# KiCad board Eclipse65.kicad_pcb (continued)
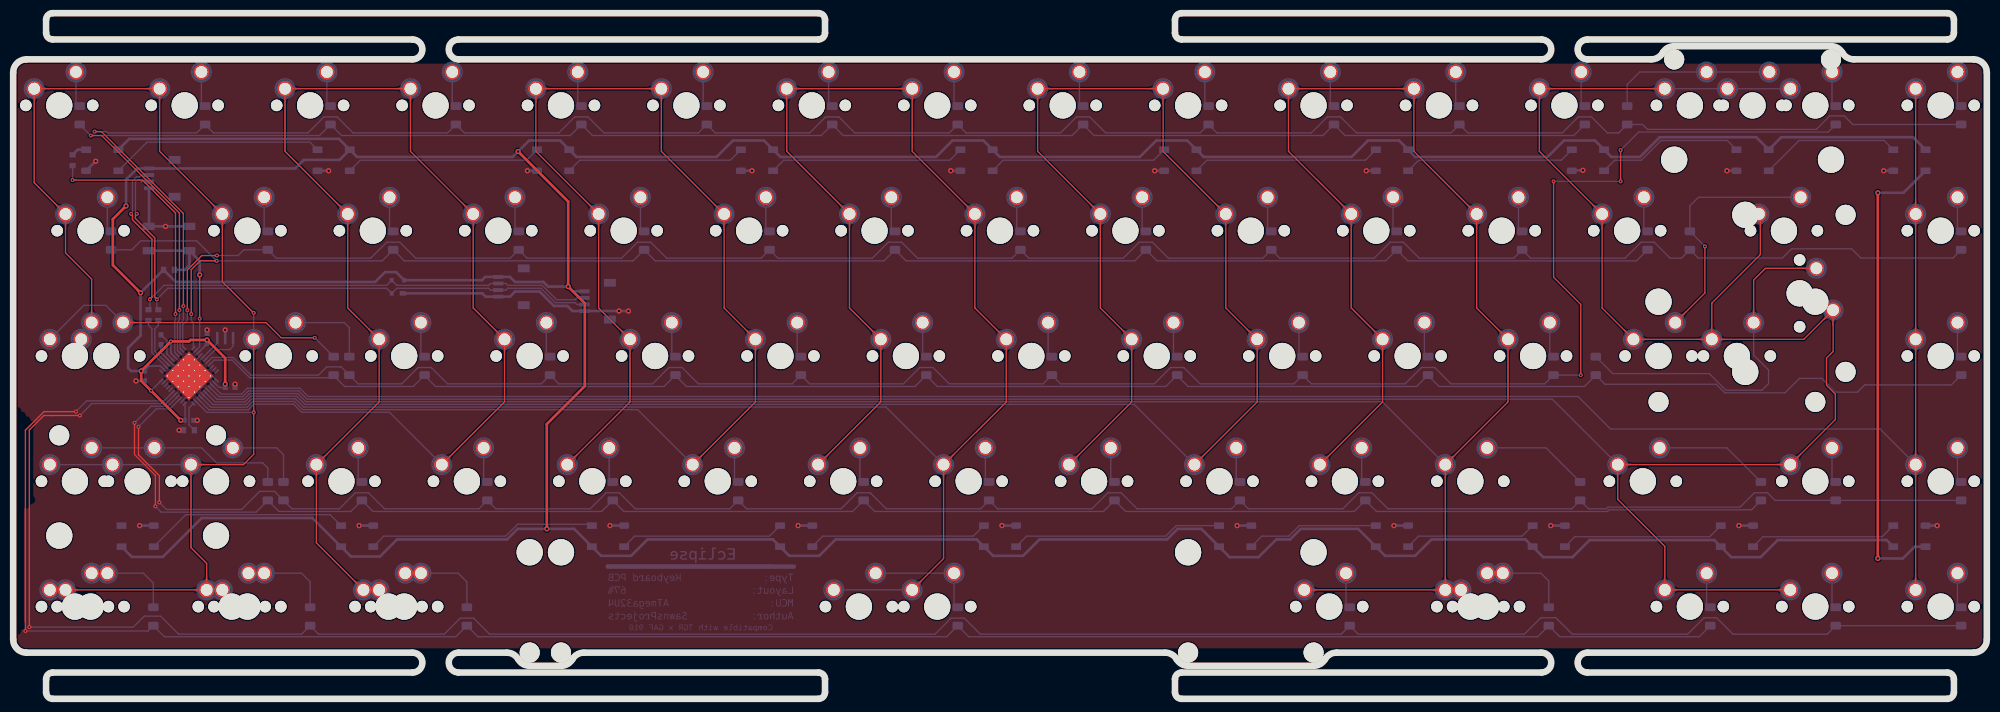
[diagram p0: board, top side]
## Copper pours and planes (outline as drawn; the poured copper is in the pictures) (continued)
Net-(D32-Pad2) on Bottom: 295.39,73.86 295.39,73.97 295.4,74.06 295.41,74.15 295.42,74.23 295.43,74.31 295.45,74.38 295.47,74.45 295.5,74.51 295.52,74.57 295.55,74.63 295.58,74.68 295.62,74.73 295.65,74.78 295.69,74.83 296.07,75.26 296.11,75.31 296.16,75.37 296.2,75.44 296.24,75.5 296.29,75.57 296.33,75.65 296.37,75.73 295.29,76.85 294.21,75.73 294.25,75.65 294.29,75.57 294.34,75.5 294.38,75.44 294.42,75.37 294.47,75.31 294.51,75.26 294.89,74.83 294.93,74.78 294.96,74.73 295,74.68 295.03,74.63 295.06,74.57 295.08,74.51 295.11,74.45 295.13,74.38 295.15,74.31 295.16,74.23 295.17,74.15 295.18,74.06 295.19,73.97 295.19,73.86
Net-(D32-Pad2) on Bottom: 295.39,73.06 295.39,73.2 295.4,73.33 295.41,73.45 295.43,73.56 295.45,73.66 295.48,73.76 295.51,73.85 295.54,73.93 295.58,74.01 295.61,74.09 295.66,74.16 295.7,74.23 295.75,74.29 295.8,74.35 295.85,74.42 295.91,74.48 296.2,74.78 296.26,74.85 296.32,74.92 296.38,75 296.44,75.08 296.5,75.16 296.56,75.25 296.62,75.35 296.67,75.45 296.73,75.56 295.29,77.05 293.85,75.56 293.91,75.45 293.96,75.35 294.02,75.25 294.08,75.16 294.14,75.08 294.2,75 294.26,74.92 294.32,74.85 294.38,74.78 294.67,74.48 294.73,74.42 294.78,74.35 294.83,74.29 294.88,74.23 294.92,74.16 294.97,74.09 295,74.01 295.04,73.93 295.07,73.85 295.1,73.76 295.13,73.66 295.15,73.56 295.17,73.45 295.18,73.33 295.19,73.2 295.19,73.06
Net-(D33-Pad2) on Top: 19.07,57.3 18.97,57.31 18.88,57.31 18.79,57.32 18.71,57.33 18.63,57.35 18.56,57.37 18.49,57.39 18.42,57.41 18.37,57.44 18.31,57.47 18.26,57.5 18.2,57.53 18.16,57.57 18.11,57.6 17.68,57.98 17.62,58.03 17.57,58.07 17.5,58.11 17.44,58.16 17.36,58.2 17.29,58.24 17.21,58.28 16.08,57.2 17.21,56.12 17.29,56.17 17.36,56.21 17.44,56.25 17.5,56.3 17.57,56.34 17.62,56.38 17.68,56.43 18.11,56.81 18.16,56.84 18.2,56.88 18.26,56.91 18.31,56.94 18.37,56.97 18.42,57 18.49,57.02 18.56,57.04 18.63,57.06 18.71,57.08 18.79,57.09 18.88,57.1 18.97,57.1 19.07,57.1
Net-(D33-Pad2) on Bottom: 14.36,59.39 14.45,59.29 14.54,59.2 14.61,59.1 14.68,59.01 14.74,58.92 14.79,58.84 14.83,58.75 14.87,58.67 14.9,58.59 14.92,58.51 14.94,58.43 14.96,58.35 14.97,58.27 14.98,58.19 14.98,58.11 14.99,58.03 15,57.6 15.01,57.51 15.01,57.42 15.02,57.32 15.04,57.23 15.05,57.12 15.08,57.02 15.1,56.91 15.13,56.8 15.17,56.68 17.25,56.64 17.21,58.72 17.09,58.75 16.98,58.79 16.87,58.81 16.76,58.83 16.66,58.85 16.56,58.86 16.47,58.87 16.38,58.88 16.29,58.89 15.86,58.9 15.78,58.9 15.7,58.91 15.62,58.92 15.54,58.93 15.46,58.95 15.38,58.97 15.3,58.99 15.22,59.02 15.13,59.06 15.05,59.1 14.96,59.15 14.88,59.21 14.79,59.28 14.69,59.35 14.6,59.44 14.5,59.53
Net-(D33-Pad2) on Bottom: 14.92,58.82 14.99,58.75 15.06,58.68 15.11,58.61 15.16,58.54 15.21,58.48 15.24,58.41 15.28,58.35 15.31,58.29 15.33,58.23 15.35,58.17 15.36,58.11 15.38,58.05 15.39,57.99 15.39,57.93 15.43,57.36 15.44,57.29 15.45,57.22 15.46,57.14 15.48,57.06 15.5,56.98 15.52,56.9 15.55,56.81 17.11,56.78 17.08,58.34 16.99,58.37 16.91,58.39 16.83,58.41 16.75,58.43 16.67,58.44 16.6,58.45 16.53,58.46 15.96,58.49 15.9,58.5 15.84,58.51 15.78,58.52 15.72,58.54 15.66,58.56 15.6,58.58 15.54,58.61 15.47,58.64 15.41,58.68 15.35,58.73 15.28,58.78 15.21,58.83 15.14,58.89 15.06,58.97
Net-(D33-Pad2) on Bottom: 7.19,56.43 7.12,56.35 7.05,56.29 6.98,56.24 6.91,56.19 6.84,56.14 6.78,56.1 6.72,56.07 6.66,56.04 6.59,56.02 6.53,56 6.47,55.98 6.42,55.97 6.36,55.96 6.3,55.95 5.73,55.92 5.66,55.91 5.58,55.9 5.51,55.89 5.43,55.87 5.35,55.85 5.26,55.83 5.18,55.8 5.15,54.24 6.7,54.27 6.73,54.36 6.76,54.44 6.78,54.52 6.79,54.6 6.81,54.68 6.82,54.75 6.82,54.82 6.86,55.39 6.87,55.45 6.88,55.51 6.89,55.57 6.91,55.63 6.93,55.69 6.95,55.75 6.98,55.81 7.01,55.87 7.05,55.94 7.09,56 7.14,56.07 7.2,56.14 7.26,56.21 7.33,56.28
Net-(D33-Pad2) on Bottom: 7.76,56.99 7.66,56.9 7.56,56.81 7.47,56.74 7.38,56.67 7.29,56.61 7.2,56.56 7.12,56.52 7.04,56.48 6.96,56.45 6.87,56.43 6.79,56.41 6.71,56.39 6.63,56.38 6.55,56.37 6.47,56.36 6.39,56.36 5.97,56.35 5.88,56.34 5.79,56.33 5.69,56.32 5.59,56.31 5.49,56.29 5.39,56.27 5.28,56.25 5.16,56.21 5.05,56.18 5.01,54.1 7.08,54.14 7.12,54.26 7.15,54.37 7.18,54.48 7.2,54.58 7.22,54.69 7.23,54.78 7.24,54.88 7.25,54.97 7.25,55.06 7.27,55.49 7.27,55.57 7.28,55.65 7.29,55.73 7.3,55.81 7.31,55.89 7.33,55.97 7.36,56.05 7.39,56.13 7.43,56.21 7.47,56.3 7.52,56.38 7.58,56.47 7.64,56.56 7.72,56.66 7.8,56.75 7.9,56.85
Net-(D33-Pad2) on Bottom: 47.76,52.8 48.11,51.83 48.88,51.81 48.87,52.59 47.9,52.94
Net-(D34-Pad2) on Bottom: 50.95,53.21 50.51,52.29 51.05,51.72 51.59,52.29 51.15,53.21
Net-(D34-Pad2) on Bottom: 46.07,57.3 45.93,57.31 45.8,57.32 45.68,57.33 45.57,57.34 45.47,57.37 45.37,57.39 45.28,57.42 45.2,57.45 45.12,57.49 45.05,57.53 44.97,57.57 44.91,57.62 44.84,57.67 44.78,57.72 44.72,57.77 44.66,57.82 44.35,58.11 44.28,58.17 44.21,58.23 44.14,58.29 44.06,58.35 43.97,58.41 43.88,58.47 43.79,58.53 43.68,58.59 43.57,58.64 42.08,57.2 43.57,55.76 43.68,55.82 43.79,55.88 43.88,55.94 43.97,56 44.06,56.06 44.14,56.12 44.21,56.18 44.28,56.24 44.35,56.3 44.66,56.59 44.72,56.64 44.78,56.69 44.84,56.74 44.91,56.79 44.97,56.84 45.05,56.88 45.12,56.92 45.2,56.96 45.28,56.99 45.37,57.02 45.47,57.04 45.57,57.07 45.68,57.08 45.8,57.09 45.93,57.1 46.07,57.1
Net-(D34-Pad2) on Bottom: 45.27,57.3 45.17,57.31 45.07,57.31 44.98,57.32 44.9,57.33 44.82,57.35 44.75,57.37 44.68,57.39 44.62,57.41 44.56,57.44 44.5,57.47 44.45,57.5 44.4,57.53 44.35,57.57 44.3,57.6 43.87,57.98 43.82,58.03 43.76,58.07 43.7,58.11 43.63,58.16 43.56,58.2 43.48,58.24 43.4,58.28 42.28,57.2 43.4,56.12 43.48,56.17 43.56,56.21 43.63,56.25 43.7,56.3 43.76,56.34 43.82,56.38 43.87,56.43 44.3,56.81 44.35,56.84 44.4,56.88 44.45,56.91 44.5,56.94 44.56,56.97 44.62,57 44.68,57.02 44.75,57.04 44.82,57.06 44.9,57.08 44.98,57.09 45.07,57.1 45.17,57.1 45.27,57.1
Net-(D35-Pad2) on Bottom: 62.03,54.01 62.03,54.15 62.04,54.28 62.05,54.4 62.07,54.51 62.09,54.61 62.11,54.71 62.14,54.8 62.18,54.88 62.21,54.96 62.25,55.04 62.3,55.11 62.34,55.18 62.39,55.24 62.44,55.3 62.49,55.37 62.54,55.43 62.84,55.73 62.9,55.8 62.96,55.87 63.02,55.95 63.08,56.03 63.14,56.11 63.2,56.2 63.25,56.3 63.31,56.4 63.37,56.51 61.93,58 60.49,56.51 60.54,56.4 60.6,56.3 60.66,56.2 60.72,56.11 60.78,56.03 60.84,55.95 60.9,55.87 60.96,55.8 61.02,55.73 61.31,55.43 61.36,55.37 61.42,55.3 61.47,55.24 61.51,55.18 61.56,55.11 61.6,55.04 61.64,54.96 61.68,54.88 61.71,54.8 61.74,54.71 61.77,54.61 61.79,54.51 61.8,54.4 61.82,54.28 61.82,54.15 61.83,54.01
Net-(D35-Pad2) on Bottom: 62.03,54.81 62.03,54.92 62.03,55.01 62.04,55.1 62.06,55.18 62.07,55.26 62.09,55.33 62.11,55.4 62.14,55.46 62.16,55.52 62.19,55.58 62.22,55.63 62.25,55.68 62.29,55.73 62.33,55.78 62.7,56.21 62.75,56.26 62.79,56.32 62.84,56.39 62.88,56.45 62.92,56.52 62.97,56.6 63.01,56.68 61.93,57.8 60.85,56.68 60.89,56.6 60.93,56.52 60.97,56.45 61.02,56.39 61.06,56.32 61.11,56.26 61.15,56.21 61.53,55.78 61.57,55.73 61.6,55.68 61.63,55.63 61.66,55.58 61.69,55.52 61.72,55.46 61.74,55.4 61.76,55.33 61.78,55.26 61.8,55.18 61.81,55.1 61.82,55.01 61.83,54.92 61.83,54.81
Net-(D36-Pad2) on Bottom: 81.08,54.01 81.08,54.15 81.09,54.28 81.1,54.4 81.12,54.51 81.14,54.61 81.16,54.71 81.19,54.8 81.23,54.88 81.26,54.96 81.3,55.04 81.35,55.11 81.39,55.18 81.44,55.24 81.49,55.3 81.54,55.37 81.59,55.43 81.89,55.73 81.95,55.8 82.01,55.87 82.07,55.95 82.13,56.03 82.19,56.11 82.25,56.2 82.3,56.3 82.36,56.4 82.42,56.51 80.98,58 79.54,56.51 79.59,56.4 79.65,56.3 79.71,56.2 79.77,56.11 79.83,56.03 79.89,55.95 79.95,55.87 80.01,55.8 80.07,55.73 80.36,55.43 80.41,55.37 80.47,55.3 80.52,55.24 80.56,55.18 80.61,55.11 80.65,55.04 80.69,54.96 80.73,54.88 80.76,54.8 80.79,54.71 80.82,54.61 80.84,54.51 80.85,54.4 80.87,54.28 80.87,54.15 80.88,54.01
Net-(D36-Pad2) on Bottom: 81.08,54.81 81.08,54.92 81.08,55.01 81.09,55.1 81.11,55.18 81.12,55.26 81.14,55.33 81.16,55.4 81.19,55.46 81.21,55.52 81.24,55.58 81.27,55.63 81.3,55.68 81.34,55.73 81.38,55.78 81.75,56.21 81.8,56.26 81.84,56.32 81.89,56.39 81.93,56.45 81.97,56.52 82.02,56.6 82.06,56.68 80.98,57.8 79.9,56.68 79.94,56.6 79.98,56.52 80.02,56.45 80.07,56.39 80.11,56.32 80.16,56.26 80.2,56.21 80.58,55.78 80.62,55.73 80.65,55.68 80.68,55.63 80.71,55.58 80.74,55.52 80.77,55.46 80.79,55.4 80.81,55.33 80.83,55.26 80.85,55.18 80.86,55.1 80.87,55.01 80.88,54.92 80.88,54.81
Net-(D37-Pad2) on Bottom: 100.13,54.01 100.13,54.15 100.14,54.28 100.15,54.4 100.17,54.51 100.19,54.61 100.21,54.71 100.24,54.8 100.28,54.88 100.31,54.96 100.35,55.04 100.4,55.11 100.44,55.18 100.49,55.24 100.54,55.3 100.59,55.37 100.64,55.43 100.94,55.73 101,55.8 101.06,55.87 101.12,55.95 101.18,56.03 101.24,56.11 101.3,56.2 101.35,56.3 101.41,56.4 101.47,56.51 100.03,58 98.59,56.51 98.64,56.4 98.7,56.3 98.76,56.2 98.82,56.11 98.88,56.03 98.94,55.95 99,55.87 99.06,55.8 99.12,55.73 99.41,55.43 99.46,55.37 99.52,55.3 99.57,55.24 99.61,55.18 99.66,55.11 99.7,55.04 99.74,54.96 99.78,54.88 99.81,54.8 99.84,54.71 99.87,54.61 99.89,54.51 99.9,54.4 99.92,54.28 99.92,54.15 99.93,54.01
Net-(D37-Pad2) on Bottom: 100.13,54.81 100.13,54.92 100.13,55.01 100.14,55.1 100.16,55.18 100.17,55.26 100.19,55.33 100.21,55.4 100.24,55.46 100.26,55.52 100.29,55.58 100.32,55.63 100.35,55.68 100.39,55.73 100.43,55.78 100.8,56.21 100.85,56.26 100.89,56.32 100.94,56.39 100.98,56.45 101.02,56.52 101.07,56.6 101.11,56.68 100.03,57.8 98.95,56.68 98.99,56.6 99.03,56.52 99.07,56.45 99.12,56.39 99.16,56.32 99.21,56.26 99.25,56.21 99.63,55.78 99.67,55.73 99.7,55.68 99.73,55.63 99.76,55.58 99.79,55.52 99.82,55.46 99.84,55.4 99.86,55.33 99.88,55.26 99.9,55.18 99.91,55.1 99.92,55.01 99.93,54.92 99.93,54.81
Net-(D38-Pad2) on Bottom: 119.18,54.01 119.18,54.15 119.19,54.28 119.2,54.4 119.22,54.51 119.24,54.61 119.26,54.71 119.29,54.8 119.33,54.88 119.36,54.96 119.4,55.04 119.45,55.11 119.49,55.18 119.54,55.24 119.59,55.3 119.64,55.37 119.69,55.43 119.99,55.73 120.05,55.8 120.11,55.87 120.17,55.95 120.23,56.03 120.29,56.11 120.35,56.2 120.4,56.3 120.46,56.4 120.52,56.51 119.08,58 117.64,56.51 117.69,56.4 117.75,56.3 117.81,56.2 117.87,56.11 117.93,56.03 117.99,55.95 118.05,55.87 118.11,55.8 118.17,55.73 118.46,55.43 118.51,55.37 118.57,55.3 118.62,55.24 118.66,55.18 118.71,55.11 118.75,55.04 118.79,54.96 118.83,54.88 118.86,54.8 118.89,54.71 118.92,54.61 118.94,54.51 118.95,54.4 118.97,54.28 118.97,54.15 118.98,54.01
Net-(D38-Pad2) on Bottom: 119.18,54.81 119.18,54.92 119.18,55.01 119.19,55.1 119.21,55.18 119.22,55.26 119.24,55.33 119.26,55.4 119.29,55.46 119.31,55.52 119.34,55.58 119.37,55.63 119.4,55.68 119.44,55.73 119.48,55.78 119.85,56.21 119.9,56.26 119.94,56.32 119.99,56.39 120.03,56.45 120.07,56.52 120.12,56.6 120.16,56.68 119.08,57.8 118,56.68 118.04,56.6 118.08,56.52 118.12,56.45 118.17,56.39 118.21,56.32 118.26,56.26 118.3,56.21 118.68,55.78 118.72,55.73 118.75,55.68 118.78,55.63 118.81,55.58 118.84,55.52 118.87,55.46 118.89,55.4 118.91,55.33 118.93,55.26 118.95,55.18 118.96,55.1 118.97,55.01 118.98,54.92 118.98,54.81
Net-(D39-Pad2) on Bottom: 138.23,54.01 138.23,54.15 138.24,54.28 138.25,54.4 138.27,54.51 138.29,54.61 138.31,54.71 138.34,54.8 138.38,54.88 138.41,54.96 138.45,55.04 138.5,55.11 138.54,55.18 138.59,55.24 138.64,55.3 138.69,55.37 138.74,55.43 139.04,55.73 139.1,55.8 139.16,55.87 139.22,55.95 139.28,56.03 139.34,56.11 139.4,56.2 139.45,56.3 139.51,56.4 139.57,56.51 138.13,58 136.69,56.51 136.74,56.4 136.8,56.3 136.86,56.2 136.92,56.11 136.98,56.03 137.04,55.95 137.1,55.87 137.16,55.8 137.22,55.73 137.51,55.43 137.56,55.37 137.62,55.3 137.67,55.24 137.71,55.18 137.76,55.11 137.8,55.04 137.84,54.96 137.88,54.88 137.91,54.8 137.94,54.71 137.97,54.61 137.99,54.51 138,54.4 138.02,54.28 138.02,54.15 138.03,54.01
Net-(D39-Pad2) on Bottom: 138.23,54.81 138.23,54.92 138.23,55.01 138.24,55.1 138.26,55.18 138.27,55.26 138.29,55.33 138.31,55.4 138.34,55.46 138.36,55.52 138.39,55.58 138.42,55.63 138.45,55.68 138.49,55.73 138.53,55.78 138.9,56.21 138.95,56.26 138.99,56.32 139.04,56.39 139.08,56.45 139.12,56.52 139.17,56.6 139.21,56.68 138.13,57.8 137.05,56.68 137.09,56.6 137.13,56.52 137.17,56.45 137.22,56.39 137.26,56.32 137.31,56.26 137.35,56.21 137.73,55.78 137.77,55.73 137.8,55.68 137.83,55.63 137.86,55.58 137.89,55.52 137.92,55.46 137.94,55.4 137.96,55.33 137.98,55.26 138,55.18 138.01,55.1 138.02,55.01 138.03,54.92 138.03,54.81
Net-(D40-Pad2) on Bottom: 157.28,54.01 157.28,54.15 157.29,54.28 157.3,54.4 157.32,54.51 157.34,54.61 157.36,54.71 157.39,54.8 157.43,54.88 157.46,54.96 157.5,55.04 157.55,55.11 157.59,55.18 157.64,55.24 157.69,55.3 157.74,55.37 157.79,55.43 158.09,55.73 158.15,55.8 158.21,55.87 158.27,55.95 158.33,56.03 158.39,56.11 158.45,56.2 158.5,56.3 158.56,56.4 158.62,56.51 157.18,58 155.74,56.51 155.79,56.4 155.85,56.3 155.91,56.2 155.97,56.11 156.03,56.03 156.09,55.95 156.15,55.87 156.21,55.8 156.27,55.73 156.56,55.43 156.61,55.37 156.67,55.3 156.72,55.24 156.76,55.18 156.81,55.11 156.85,55.04 156.89,54.96 156.93,54.88 156.96,54.8 156.99,54.71 157.02,54.61 157.04,54.51 157.05,54.4 157.07,54.28 157.07,54.15 157.08,54.01
Net-(D40-Pad2) on Bottom: 157.28,54.81 157.28,54.92 157.28,55.01 157.29,55.1 157.31,55.18 157.32,55.26 157.34,55.33 157.36,55.4 157.39,55.46 157.41,55.52 157.44,55.58 157.47,55.63 157.5,55.68 157.54,55.73 157.58,55.78 157.95,56.21 158,56.26 158.04,56.32 158.09,56.39 158.13,56.45 158.17,56.52 158.22,56.6 158.26,56.68 157.18,57.8 156.1,56.68 156.14,56.6 156.18,56.52 156.22,56.45 156.27,56.39 156.31,56.32 156.36,56.26 156.4,56.21 156.78,55.78 156.82,55.73 156.85,55.68 156.88,55.63 156.91,55.58 156.94,55.52 156.97,55.46 156.99,55.4 157.01,55.33 157.03,55.26 157.05,55.18 157.06,55.1 157.07,55.01 157.08,54.92 157.08,54.81
Net-(D41-Pad2) on Bottom: 176.33,54.01 176.33,54.15 176.34,54.28 176.35,54.4 176.37,54.51 176.39,54.61 176.41,54.71 176.44,54.8 176.48,54.88 176.51,54.96 176.55,55.04 176.6,55.11 176.64,55.18 176.69,55.24 176.74,55.3 176.79,55.37 176.84,55.43 177.14,55.73 177.2,55.8 177.26,55.87 177.32,55.95 177.38,56.03 177.44,56.11 177.5,56.2 177.55,56.3 177.61,56.4 177.67,56.51 176.23,58 174.79,56.51 174.84,56.4 174.9,56.3 174.96,56.2 175.02,56.11 175.08,56.03 175.14,55.95 175.2,55.87 175.26,55.8 175.32,55.73 175.61,55.43 175.66,55.37 175.72,55.3 175.77,55.24 175.81,55.18 175.86,55.11 175.9,55.04 175.94,54.96 175.98,54.88 176.01,54.8 176.04,54.71 176.07,54.61 176.09,54.51 176.1,54.4 176.12,54.28 176.12,54.15 176.13,54.01
Net-(D41-Pad2) on Bottom: 176.33,54.81 176.33,54.92 176.33,55.01 176.34,55.1 176.36,55.18 176.37,55.26 176.39,55.33 176.41,55.4 176.44,55.46 176.46,55.52 176.49,55.58 176.52,55.63 176.55,55.68 176.59,55.73 176.63,55.78 177,56.21 177.05,56.26 177.09,56.32 177.14,56.39 177.18,56.45 177.22,56.52 177.27,56.6 177.31,56.68 176.23,57.8 175.15,56.68 175.19,56.6 175.23,56.52 175.27,56.45 175.32,56.39 175.36,56.32 175.41,56.26 175.45,56.21 175.83,55.78 175.87,55.73 175.9,55.68 175.93,55.63 175.96,55.58 175.99,55.52 176.02,55.46 176.04,55.4 176.06,55.33 176.08,55.26 176.1,55.18 176.11,55.1 176.12,55.01 176.13,54.92 176.13,54.81
Net-(D42-Pad2) on Bottom: 195.38,54.01 195.38,54.15 195.39,54.28 195.4,54.4 195.42,54.51 195.44,54.61 195.46,54.71 195.49,54.8 195.53,54.88 195.56,54.96 195.6,55.04 195.65,55.11 195.69,55.18 195.74,55.24 195.79,55.3 195.84,55.37 195.89,55.43 196.19,55.73 196.25,55.8 196.31,55.87 196.37,55.95 196.43,56.03 196.49,56.11 196.55,56.2 196.6,56.3 196.66,56.4 196.72,56.51 195.28,58 193.84,56.51 193.89,56.4 193.95,56.3 194.01,56.2 194.07,56.11 194.13,56.03 194.19,55.95 194.25,55.87 194.31,55.8 194.37,55.73 194.66,55.43 194.71,55.37 194.77,55.3 194.82,55.24 194.86,55.18 194.91,55.11 194.95,55.04 194.99,54.96 195.03,54.88 195.06,54.8 195.09,54.71 195.12,54.61 195.14,54.51 195.15,54.4 195.17,54.28 195.17,54.15 195.18,54.01
Net-(D42-Pad2) on Bottom: 195.38,54.81 195.38,54.92 195.38,55.01 195.39,55.1 195.41,55.18 195.42,55.26 195.44,55.33 195.46,55.4 195.49,55.46 195.51,55.52 195.54,55.58 195.57,55.63 195.6,55.68 195.64,55.73 195.68,55.78 196.05,56.21 196.1,56.26 196.14,56.32 196.19,56.39 196.23,56.45 196.27,56.52 196.32,56.6 196.36,56.68 195.28,57.8 194.2,56.68 194.24,56.6 194.28,56.52 194.32,56.45 194.37,56.39 194.41,56.32 194.46,56.26 194.5,56.21 194.88,55.78 194.92,55.73 194.95,55.68 194.98,55.63 195.01,55.58 195.04,55.52 195.07,55.46 195.09,55.4 195.11,55.33 195.13,55.26 195.15,55.18 195.16,55.1 195.17,55.01 195.18,54.92 195.18,54.81
Net-(D43-Pad2) on Bottom: 214.43,54.01 214.43,54.15 214.44,54.28 214.45,54.4 214.47,54.51 214.49,54.61 214.51,54.71 214.54,54.8 214.58,54.88 214.61,54.96 214.65,55.04 214.7,55.11 214.74,55.18 214.79,55.24 214.84,55.3 214.89,55.37 214.94,55.43 215.24,55.73 215.3,55.8 215.36,55.87 215.42,55.95 215.48,56.03 215.54,56.11 215.6,56.2 215.65,56.3 215.71,56.4 215.77,56.51 214.33,58 212.89,56.51 212.94,56.4 213,56.3 213.06,56.2 213.12,56.11 213.18,56.03 213.24,55.95 213.3,55.87 213.36,55.8 213.42,55.73 213.71,55.43 213.76,55.37 213.82,55.3 213.87,55.24 213.91,55.18 213.96,55.11 214,55.04 214.04,54.96 214.08,54.88 214.11,54.8 214.14,54.71 214.17,54.61 214.19,54.51 214.2,54.4 214.22,54.28 214.22,54.15 214.23,54.01
Net-(D43-Pad2) on Bottom: 214.43,54.81 214.43,54.92 214.43,55.01 214.44,55.1 214.46,55.18 214.47,55.26 214.49,55.33 214.51,55.4 214.54,55.46 214.56,55.52 214.59,55.58 214.62,55.63 214.65,55.68 214.69,55.73 214.73,55.78 215.1,56.21 215.15,56.26 215.19,56.32 215.24,56.39 215.28,56.45 215.32,56.52 215.37,56.6 215.41,56.68 214.33,57.8 213.25,56.68 213.29,56.6 213.33,56.52 213.37,56.45 213.42,56.39 213.46,56.32 213.51,56.26 213.55,56.21 213.93,55.78 213.97,55.73 214,55.68 214.03,55.63 214.06,55.58 214.09,55.52 214.12,55.46 214.14,55.4 214.16,55.33 214.18,55.26 214.2,55.18 214.21,55.1 214.22,55.01 214.23,54.92 214.23,54.81
Net-(D44-Pad2) on Bottom: 233.48,54.01 233.48,54.15 233.49,54.28 233.5,54.4 233.52,54.51 233.54,54.61 233.56,54.71 233.59,54.8 233.63,54.88 233.66,54.96 233.7,55.04 233.75,55.11 233.79,55.18 233.84,55.24 233.89,55.3 233.94,55.37 233.99,55.43 234.29,55.73 234.35,55.8 234.41,55.87 234.47,55.95 234.53,56.03 234.59,56.11 234.65,56.2 234.7,56.3 234.76,56.4 234.82,56.51 233.38,58 231.94,56.51 231.99,56.4 232.05,56.3 232.11,56.2 232.17,56.11 232.23,56.03 232.29,55.95 232.35,55.87 232.41,55.8 232.47,55.73 232.76,55.43 232.81,55.37 232.87,55.3 232.92,55.24 232.96,55.18 233.01,55.11 233.05,55.04 233.09,54.96 233.13,54.88 233.16,54.8 233.19,54.71 233.22,54.61 233.24,54.51 233.25,54.4 233.27,54.28 233.27,54.15 233.28,54.01
Net-(D44-Pad2) on Bottom: 233.48,54.81 233.48,54.92 233.48,55.01 233.49,55.1 233.51,55.18 233.52,55.26 233.54,55.33 233.56,55.4 233.59,55.46 233.61,55.52 233.64,55.58 233.67,55.63 233.7,55.68 233.74,55.73 233.78,55.78 234.15,56.21 234.2,56.26 234.24,56.32 234.29,56.39 234.33,56.45 234.37,56.52 234.42,56.6 234.46,56.68 233.38,57.8 232.3,56.68 232.34,56.6 232.38,56.52 232.42,56.45 232.47,56.39 232.51,56.32 232.56,56.26 232.6,56.21 232.98,55.78 233.02,55.73 233.05,55.68 233.08,55.63 233.11,55.58 233.14,55.52 233.17,55.46 233.19,55.4 233.21,55.33 233.23,55.26 233.25,55.18 233.26,55.1 233.27,55.01 233.28,54.92 233.28,54.81
Net-(D45-Pad2) on Top: 271.47,65.36 271.57,65.36 271.67,65.35 271.75,65.34 271.84,65.33 271.91,65.32 271.99,65.3 272.05,65.28 272.12,65.25 272.18,65.23 272.23,65.2 272.29,65.17 272.34,65.13 272.39,65.1 272.43,65.06 272.86,64.68 272.92,64.64 272.98,64.59 273.04,64.55 273.11,64.51 273.18,64.46 273.25,64.42 273.34,64.38 274.46,65.46 273.34,66.54 273.25,66.5 273.18,66.46 273.11,66.41 273.04,66.37 272.98,66.33 272.92,66.28 272.86,66.24 272.43,65.86 272.39,65.82 272.34,65.79 272.29,65.75 272.23,65.72 272.18,65.69 272.12,65.67 272.05,65.64 271.99,65.62 271.91,65.6 271.84,65.59 271.75,65.58 271.67,65.57 271.57,65.56 271.47,65.56
Net-(D45-Pad2) on Top: 264.23,59.59 264.23,59.49 264.23,59.4 264.22,59.31 264.21,59.23 264.19,59.15 264.17,59.08 264.15,59.01 264.13,58.95 264.1,58.89 264.07,58.83 264.04,58.78 264.01,58.73 263.97,58.68 263.94,58.63 263.56,58.2 263.51,58.15 263.47,58.09 263.42,58.02 263.38,57.96 263.34,57.89 263.3,57.81 263.25,57.73 264.33,56.6 265.41,57.73 265.37,57.81 265.33,57.89 265.29,57.96 265.24,58.02 265.2,58.09 265.15,58.15 265.11,58.2 264.73,58.63 264.7,58.68 264.66,58.73 264.63,58.78 264.6,58.83 264.57,58.89 264.54,58.95 264.52,59.01 264.5,59.08 264.48,59.15 264.46,59.23 264.45,59.31 264.44,59.4 264.44,59.49 264.43,59.59
Net-(D45-Pad2) on Bottom: 264.43,54.81 264.44,54.92 264.44,55.01 264.45,55.1 264.46,55.18 264.48,55.26 264.5,55.33 264.52,55.4 264.54,55.46 264.57,55.52 264.6,55.58 264.63,55.63 264.66,55.68 264.7,55.73 264.73,55.78 265.11,56.21 265.15,56.26 265.2,56.32 265.24,56.39 265.29,56.45 265.33,56.52 265.37,56.6 265.41,56.68 264.33,57.8 263.25,56.68 263.3,56.6 263.34,56.52 263.38,56.45 263.42,56.39 263.47,56.32 263.51,56.26 263.56,56.21 263.94,55.78 263.97,55.73 264.01,55.68 264.04,55.63 264.07,55.58 264.1,55.52 264.13,55.46 264.15,55.4 264.17,55.33 264.19,55.26 264.21,55.18 264.22,55.1 264.23,55.01 264.23,54.92 264.23,54.81
Net-(D45-Pad2) on Bottom: 264.43,54.01 264.44,54.15 264.44,54.28 264.46,54.4 264.47,54.51 264.49,54.61 264.52,54.71 264.55,54.8 264.58,54.88 264.62,54.96 264.66,55.04 264.7,55.11 264.75,55.18 264.79,55.24 264.84,55.3 264.9,55.37 264.95,55.43 265.24,55.73 265.3,55.8 265.36,55.87 265.42,55.95 265.48,56.03 265.54,56.11 265.6,56.2 265.66,56.3 265.72,56.4 265.77,56.51 264.33,58 262.89,56.51 262.95,56.4 263.01,56.3 263.07,56.2 263.12,56.11 263.18,56.03 263.24,55.95 263.31,55.87 263.37,55.8 263.43,55.73 263.72,55.43 263.77,55.37 263.82,55.3 263.87,55.24 263.92,55.18 263.97,55.11 264.01,55.04 264.05,54.96 264.08,54.88 264.12,54.8 264.15,54.71 264.17,54.61 264.19,54.51 264.21,54.4 264.22,54.28 264.23,54.15 264.23,54.01
Net-(D45-Pad2) on Bottom: 241.27,51.25 240.93,52.22 240.15,52.24 240.17,51.46 241.13,51.11
Net-(D46-Pad2) on Bottom: 295.39,54.81 295.39,54.92 295.4,55.01 295.41,55.1 295.42,55.18 295.43,55.26 295.45,55.33 295.47,55.4 295.5,55.46 295.52,55.52 295.55,55.58 295.58,55.63 295.62,55.68 295.65,55.73 295.69,55.78 296.07,56.21 296.11,56.26 296.16,56.32 296.2,56.39 296.24,56.45 296.29,56.52 296.33,56.6 296.37,56.68 295.29,57.8 294.21,56.68 294.25,56.6 294.29,56.52 294.34,56.45 294.38,56.39 294.42,56.32 294.47,56.26 294.51,56.21 294.89,55.78 294.93,55.73 294.96,55.68 295,55.63 295.03,55.58 295.06,55.52 295.08,55.46 295.11,55.4 295.13,55.33 295.15,55.26 295.16,55.18 295.17,55.1 295.18,55.01 295.19,54.92 295.19,54.81
Net-(D46-Pad2) on Bottom: 295.39,54.01 295.39,54.15 295.4,54.28 295.41,54.4 295.43,54.51 295.45,54.61 295.48,54.71 295.51,54.8 295.54,54.88 295.58,54.96 295.61,55.04 295.66,55.11 295.7,55.18 295.75,55.24 295.8,55.3 295.85,55.37 295.91,55.43 296.2,55.73 296.26,55.8 296.32,55.87 296.38,55.95 296.44,56.03 296.5,56.11 296.56,56.2 296.62,56.3 296.67,56.4 296.73,56.51 295.29,58 293.85,56.51 293.91,56.4 293.96,56.3 294.02,56.2 294.08,56.11 294.14,56.03 294.2,55.95 294.26,55.87 294.32,55.8 294.38,55.73 294.67,55.43 294.73,55.37 294.78,55.3 294.83,55.24 294.88,55.18 294.92,55.11 294.97,55.04 295,54.96 295.04,54.88 295.07,54.8 295.1,54.71 295.13,54.61 295.15,54.51 295.17,54.4 295.18,54.28 295.19,54.15 295.19,54.01
Net-(D47-Pad2) on Bottom: 295.39,35.76 295.39,35.87 295.4,35.96 295.41,36.05 295.42,36.13 295.43,36.21 295.45,36.28 295.47,36.35 295.5,36.41 295.52,36.47 295.55,36.53 295.58,36.58 295.62,36.63 295.65,36.68 295.69,36.73 296.07,37.16 296.11,37.21 296.16,37.27 296.2,37.34 296.24,37.4 296.29,37.47 296.33,37.55 296.37,37.63 295.29,38.75 294.21,37.63 294.25,37.55 294.29,37.47 294.34,37.4 294.38,37.34 294.42,37.27 294.47,37.21 294.51,37.16 294.89,36.73 294.93,36.68 294.96,36.63 295,36.58 295.03,36.53 295.06,36.47 295.08,36.41 295.11,36.35 295.13,36.28 295.15,36.21 295.16,36.13 295.17,36.05 295.18,35.96 295.19,35.87 295.19,35.76